# Altium PCB HYDRA_V4_LINK_OLD.PcbDoc (part 1 of 2)
Units mm, origin at the board's own origin, x right, y up, seen from the top; angles counter-clockwise.
Board outline 50.25 x 44.2 mm, 4 copper layers (TOP SIG, PWR + INT SIG, GND, BOTTOM SIG), stack 1.586 mm thick; 194 components, 154 nets, 761 pads, 257 vias.
Unrouted connection lines stored in the file: 15.
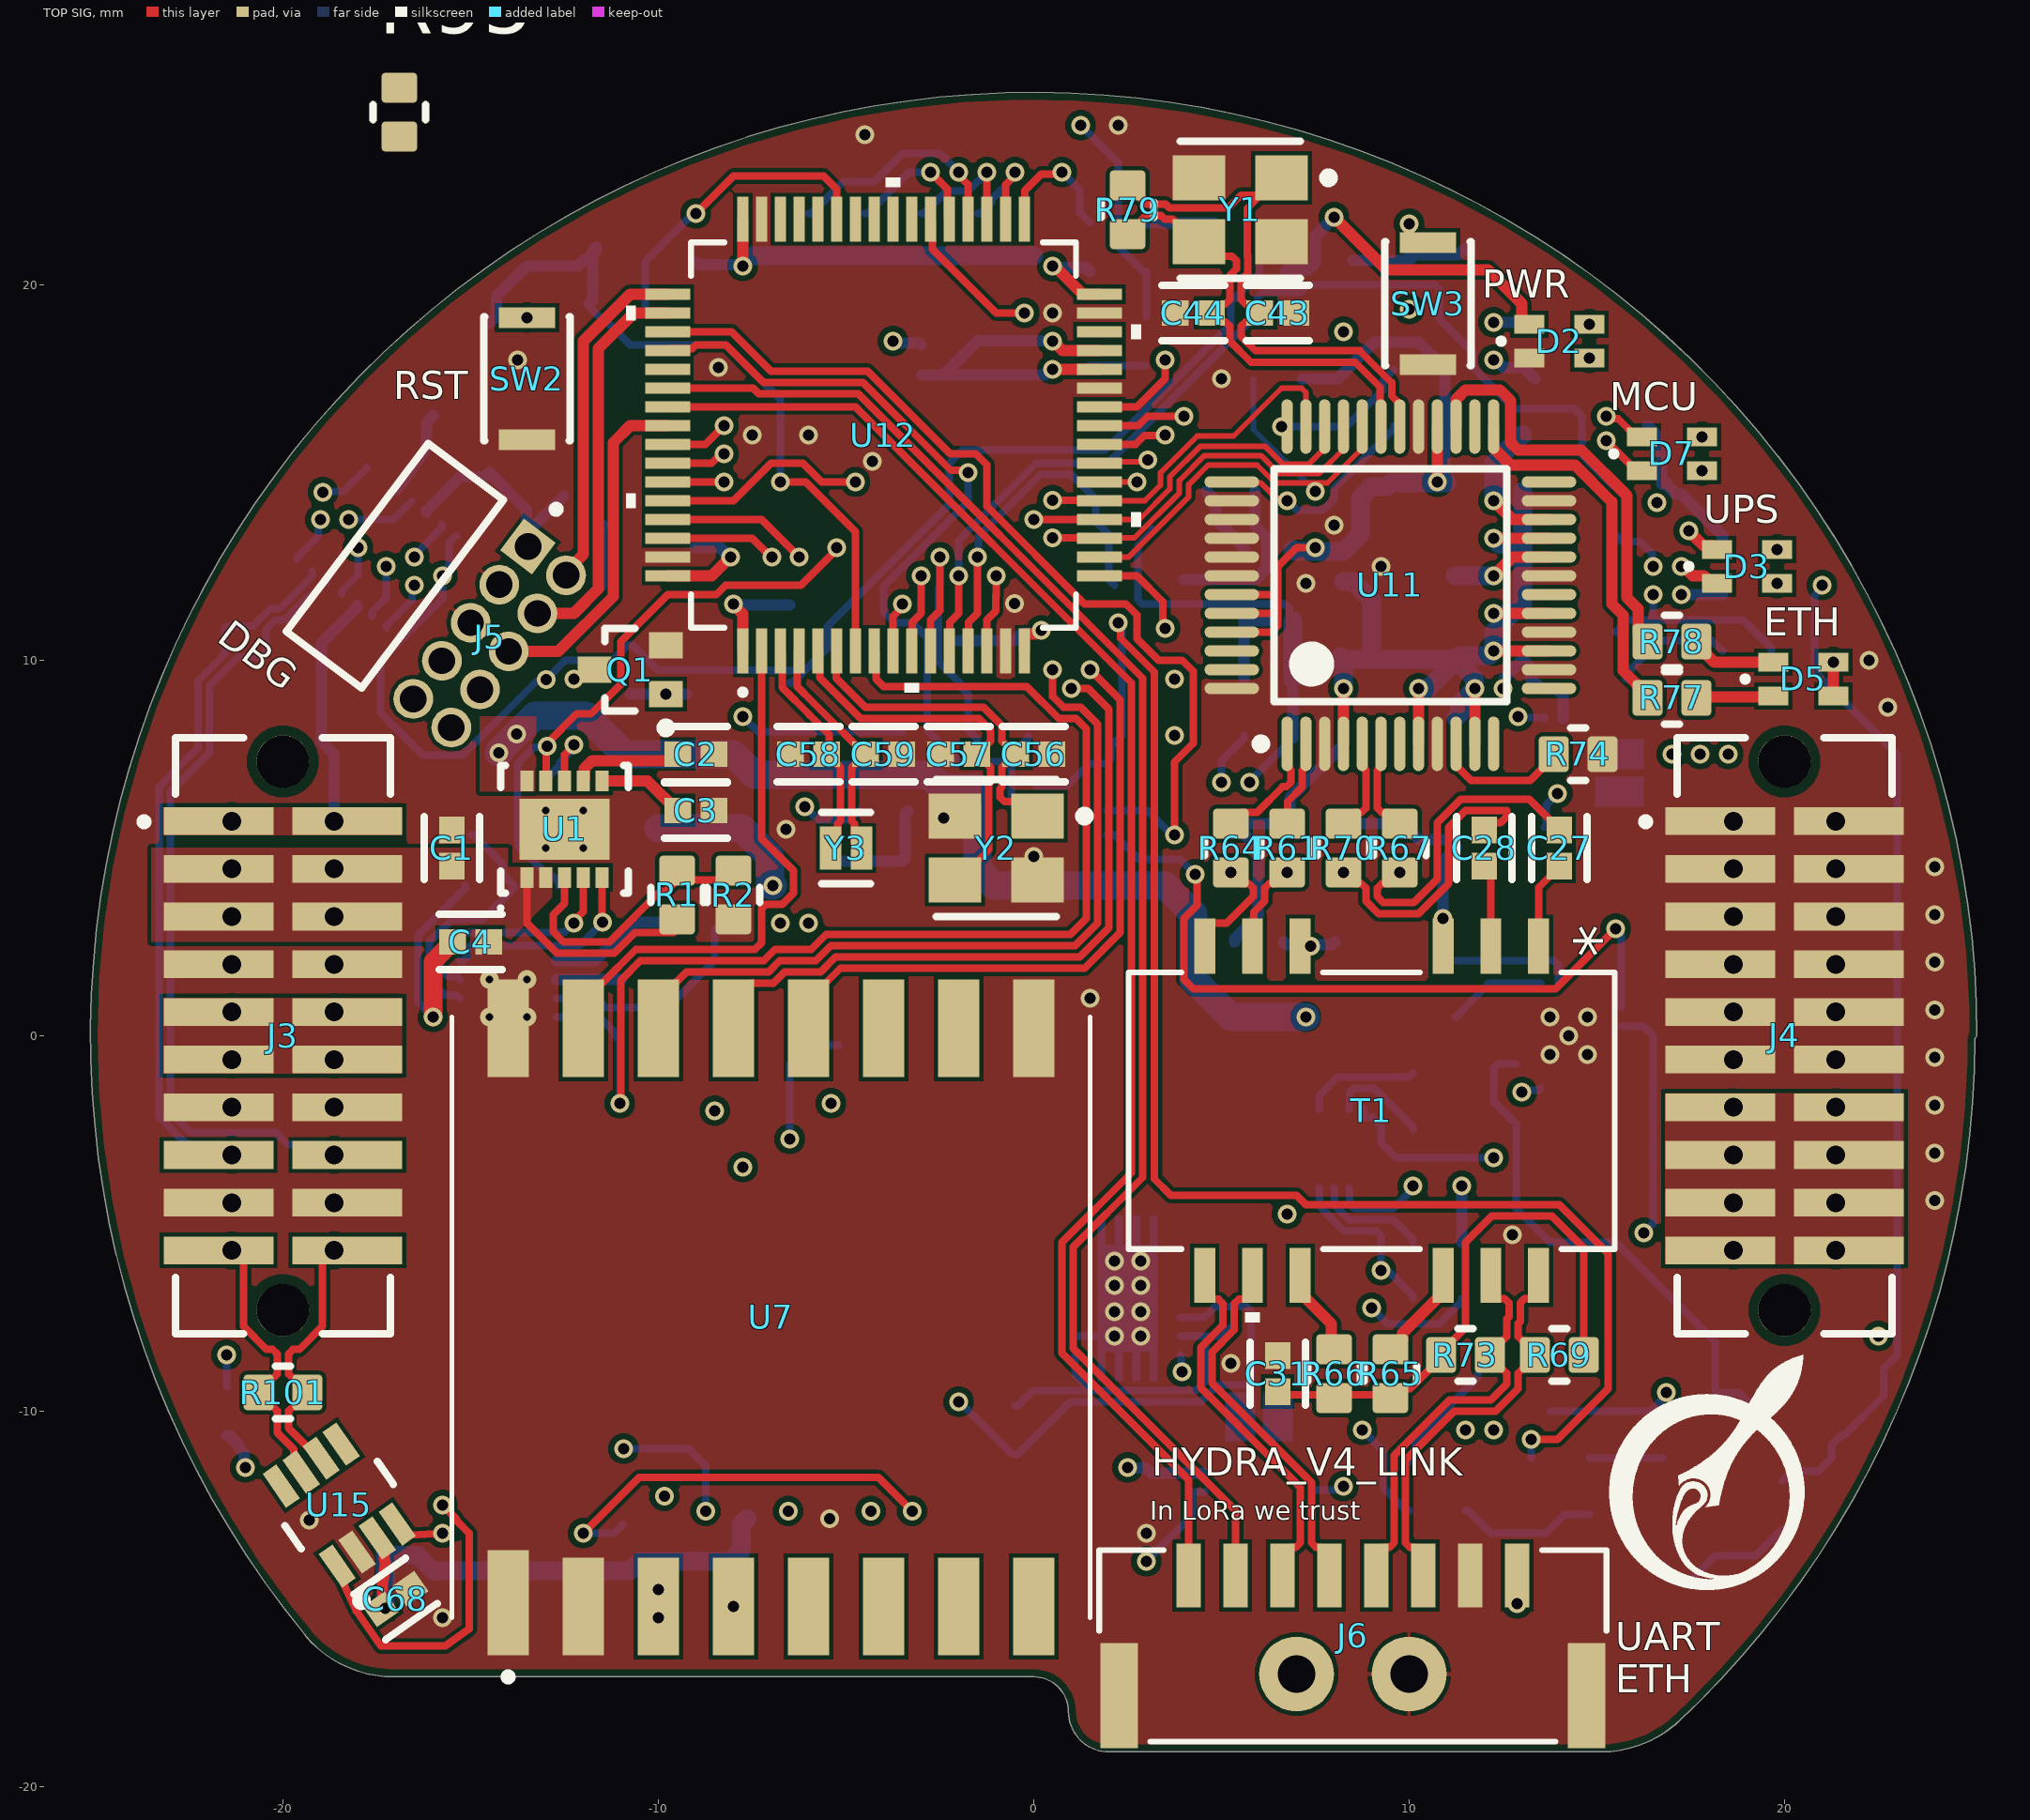
[diagram p0: TOP SIG view]
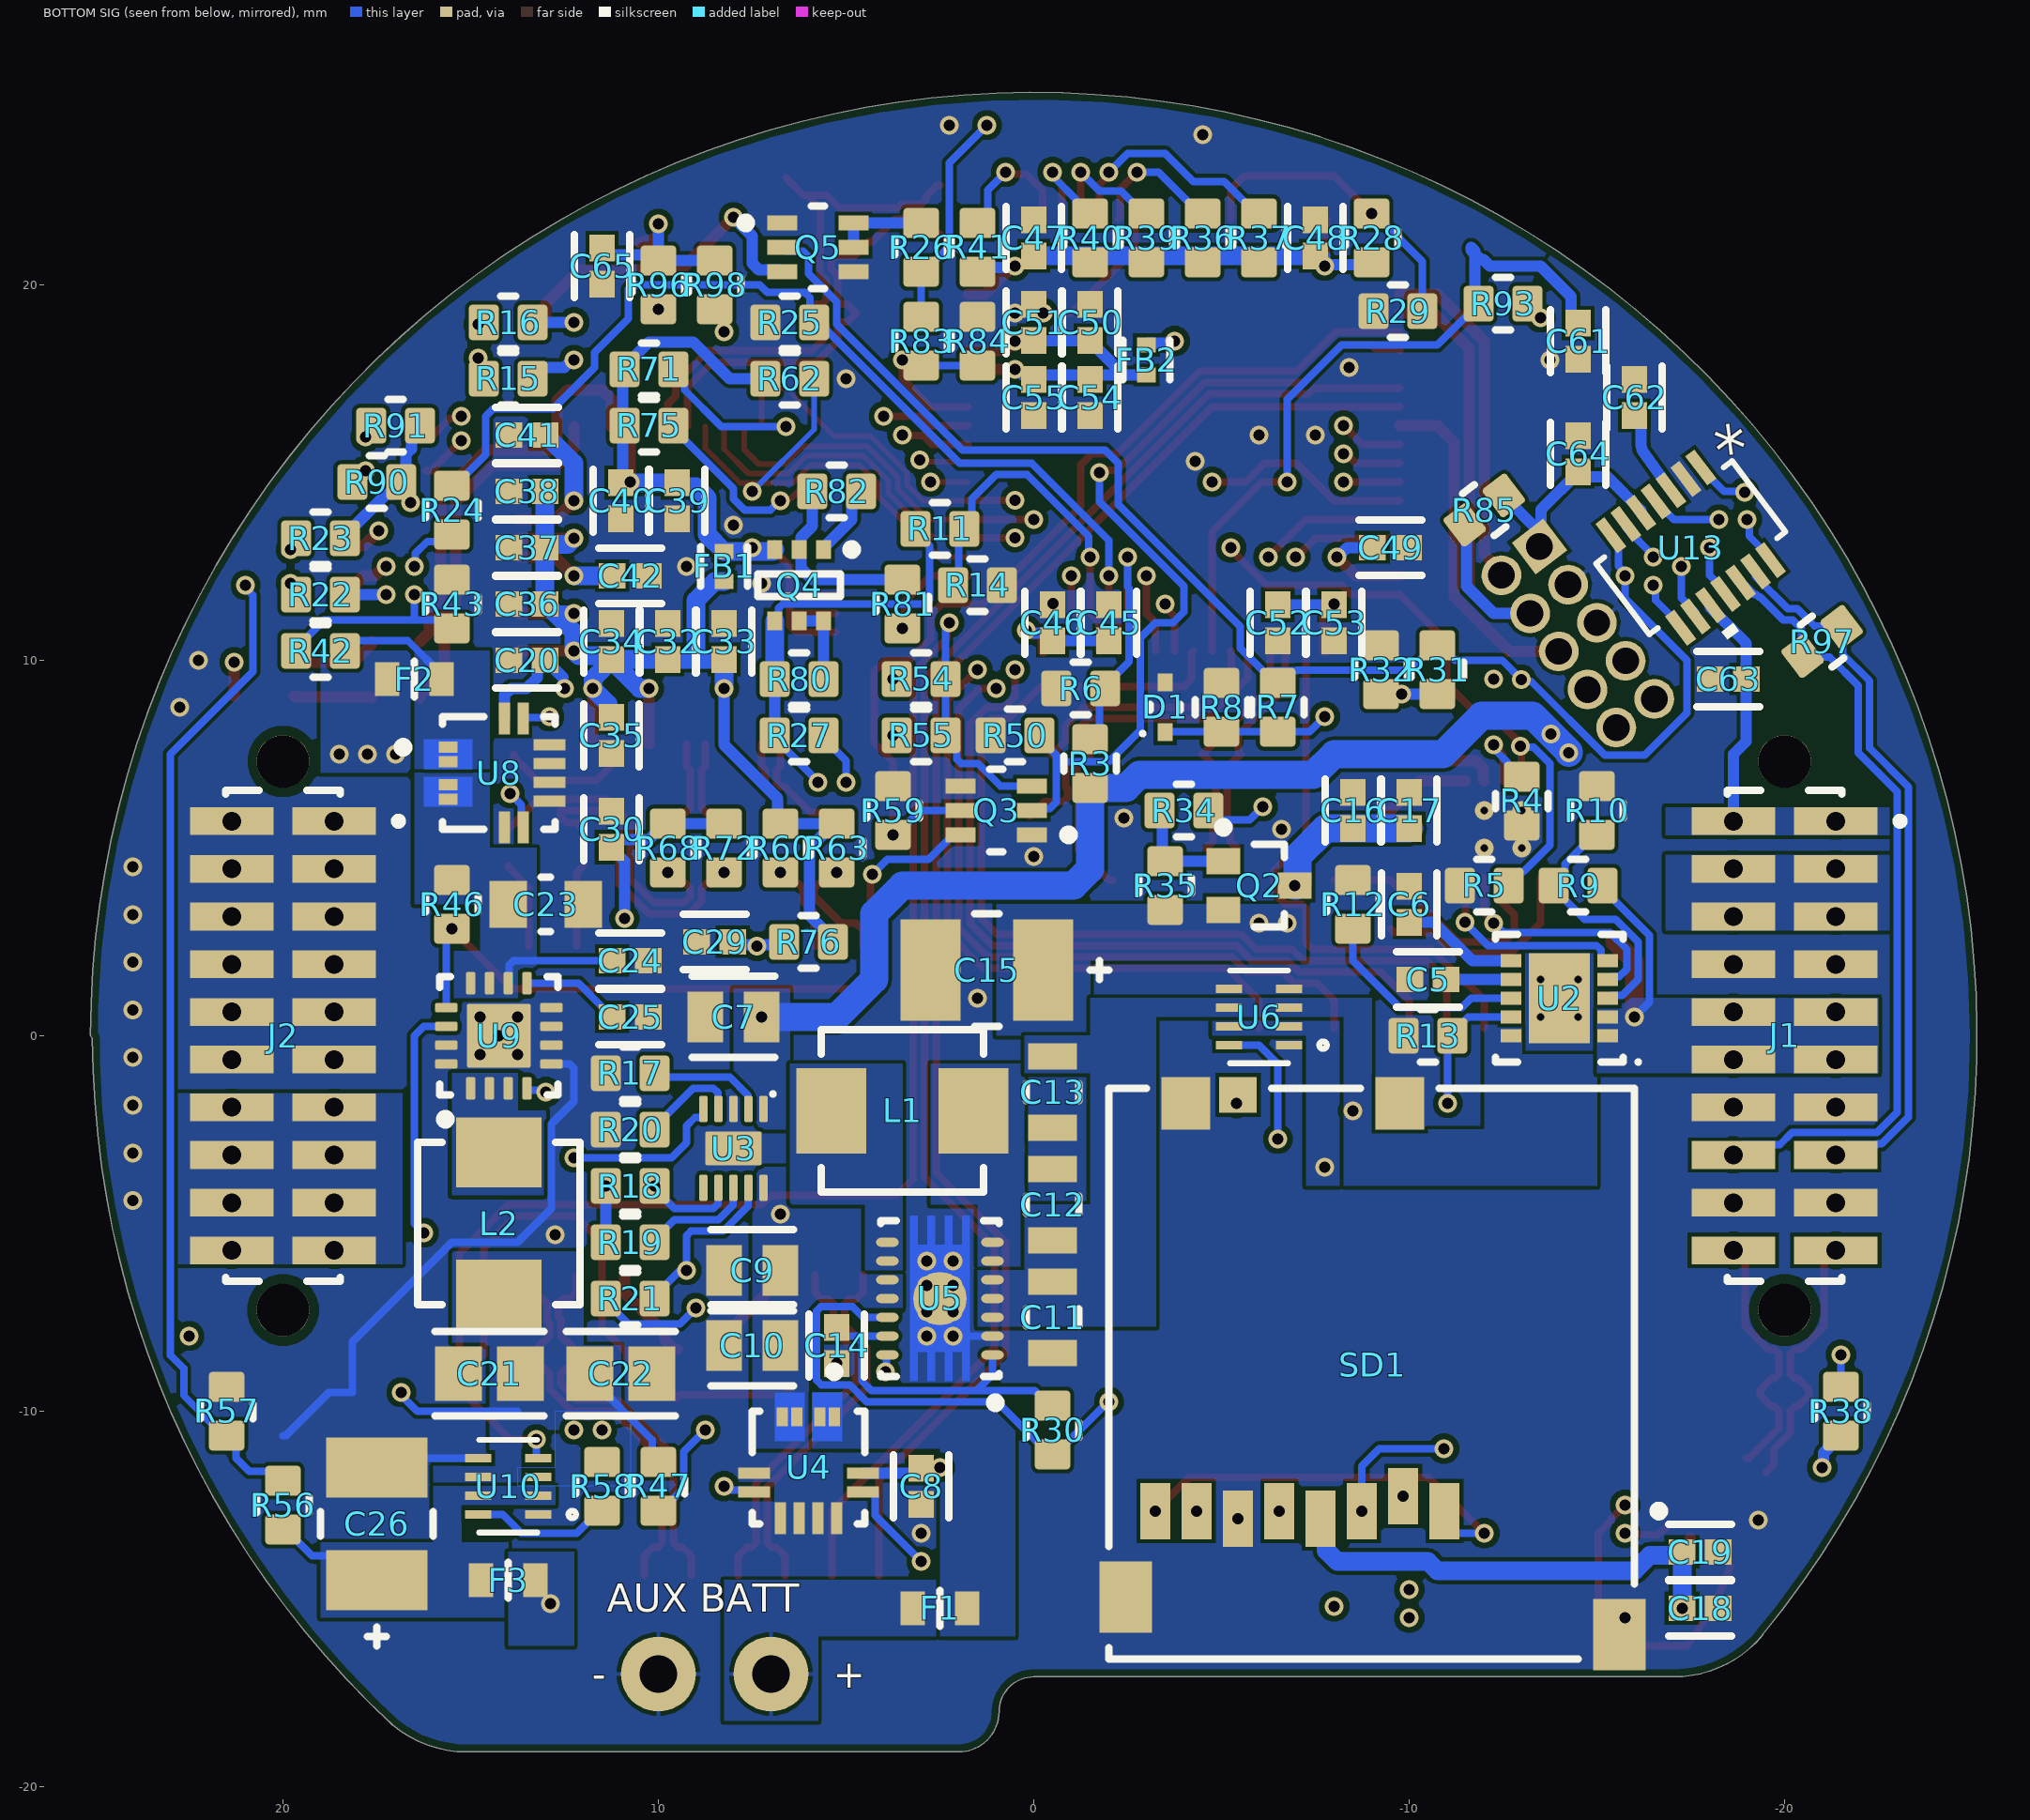
[diagram p1: BOTTOM SIG view, seen from below]
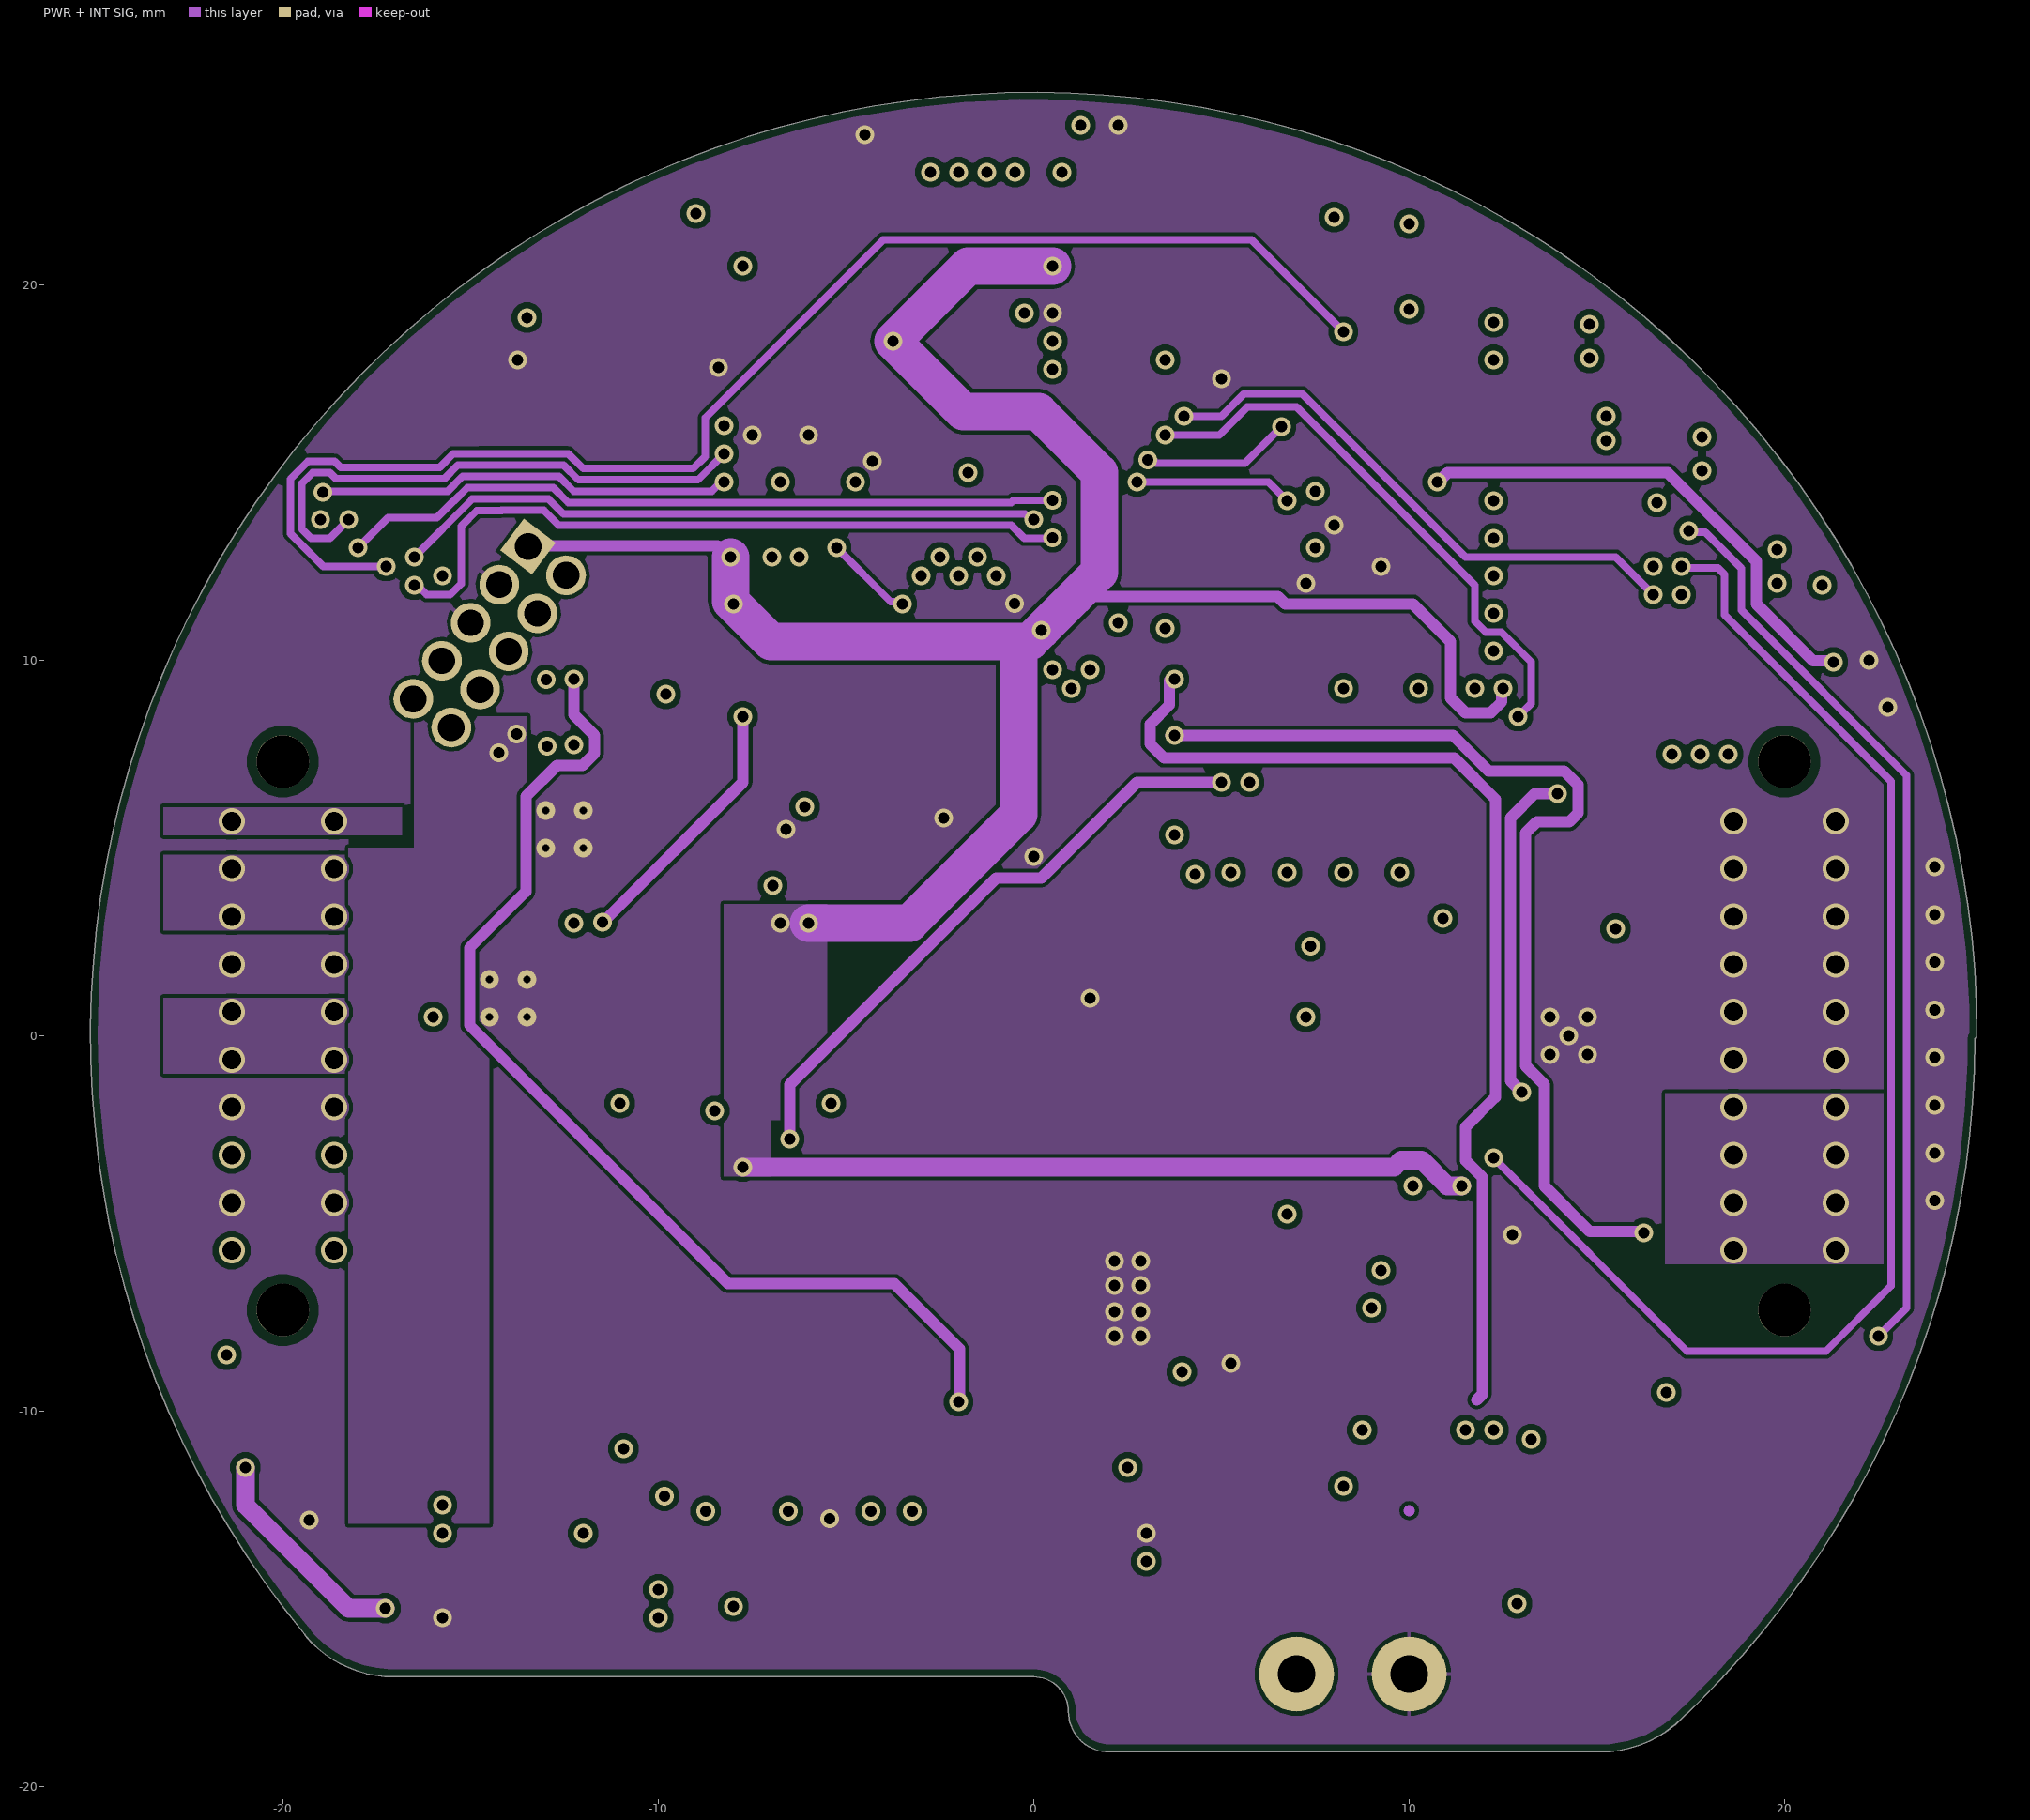
[diagram p2: PWR + INT SIG]